# Altium PCB CarrierBoard.PcbDoc (part 1 of 2)
Units mil, origin at the board's own origin, x right, y up, seen from the top; angles counter-clockwise.
Board outline 6375.03 x 4175.03 mil, 4 copper layers (Top Layer, GND1, GND2, Bottom Layer), stack 53.912 mil thick; 102 components, 84 nets, 400 pads, 390 vias.
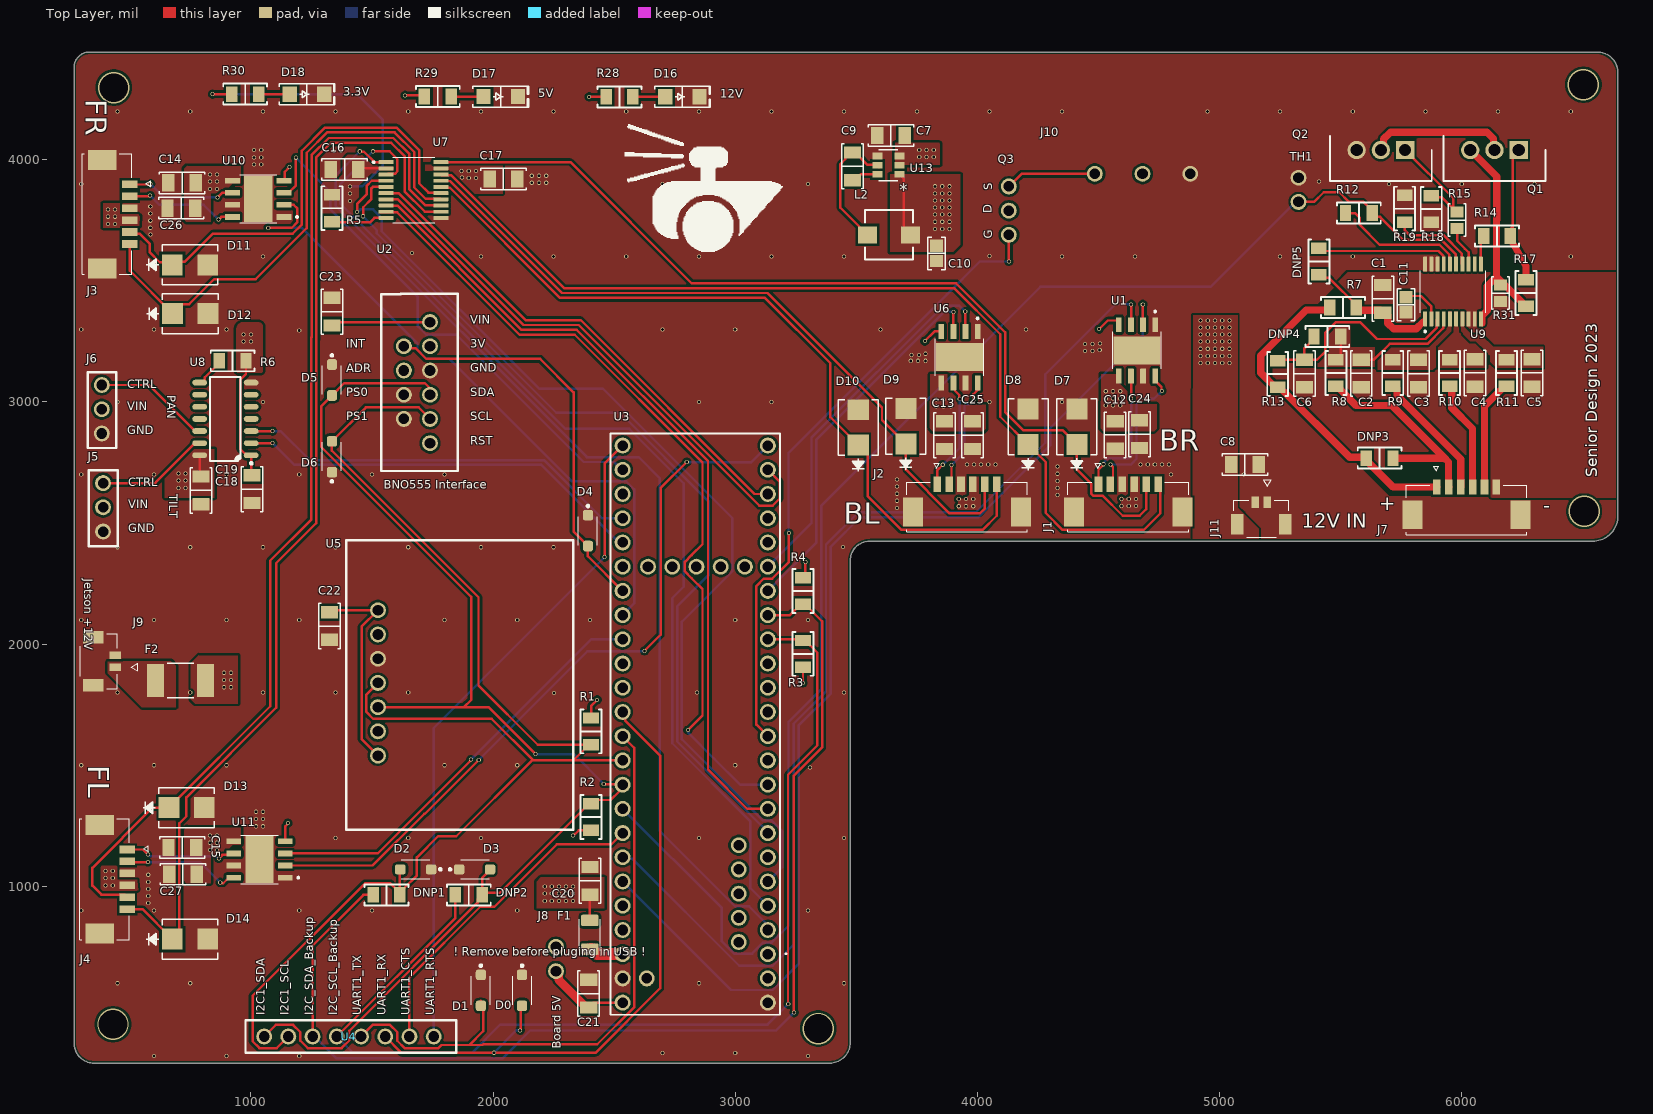
[diagram p0: Top Layer view]
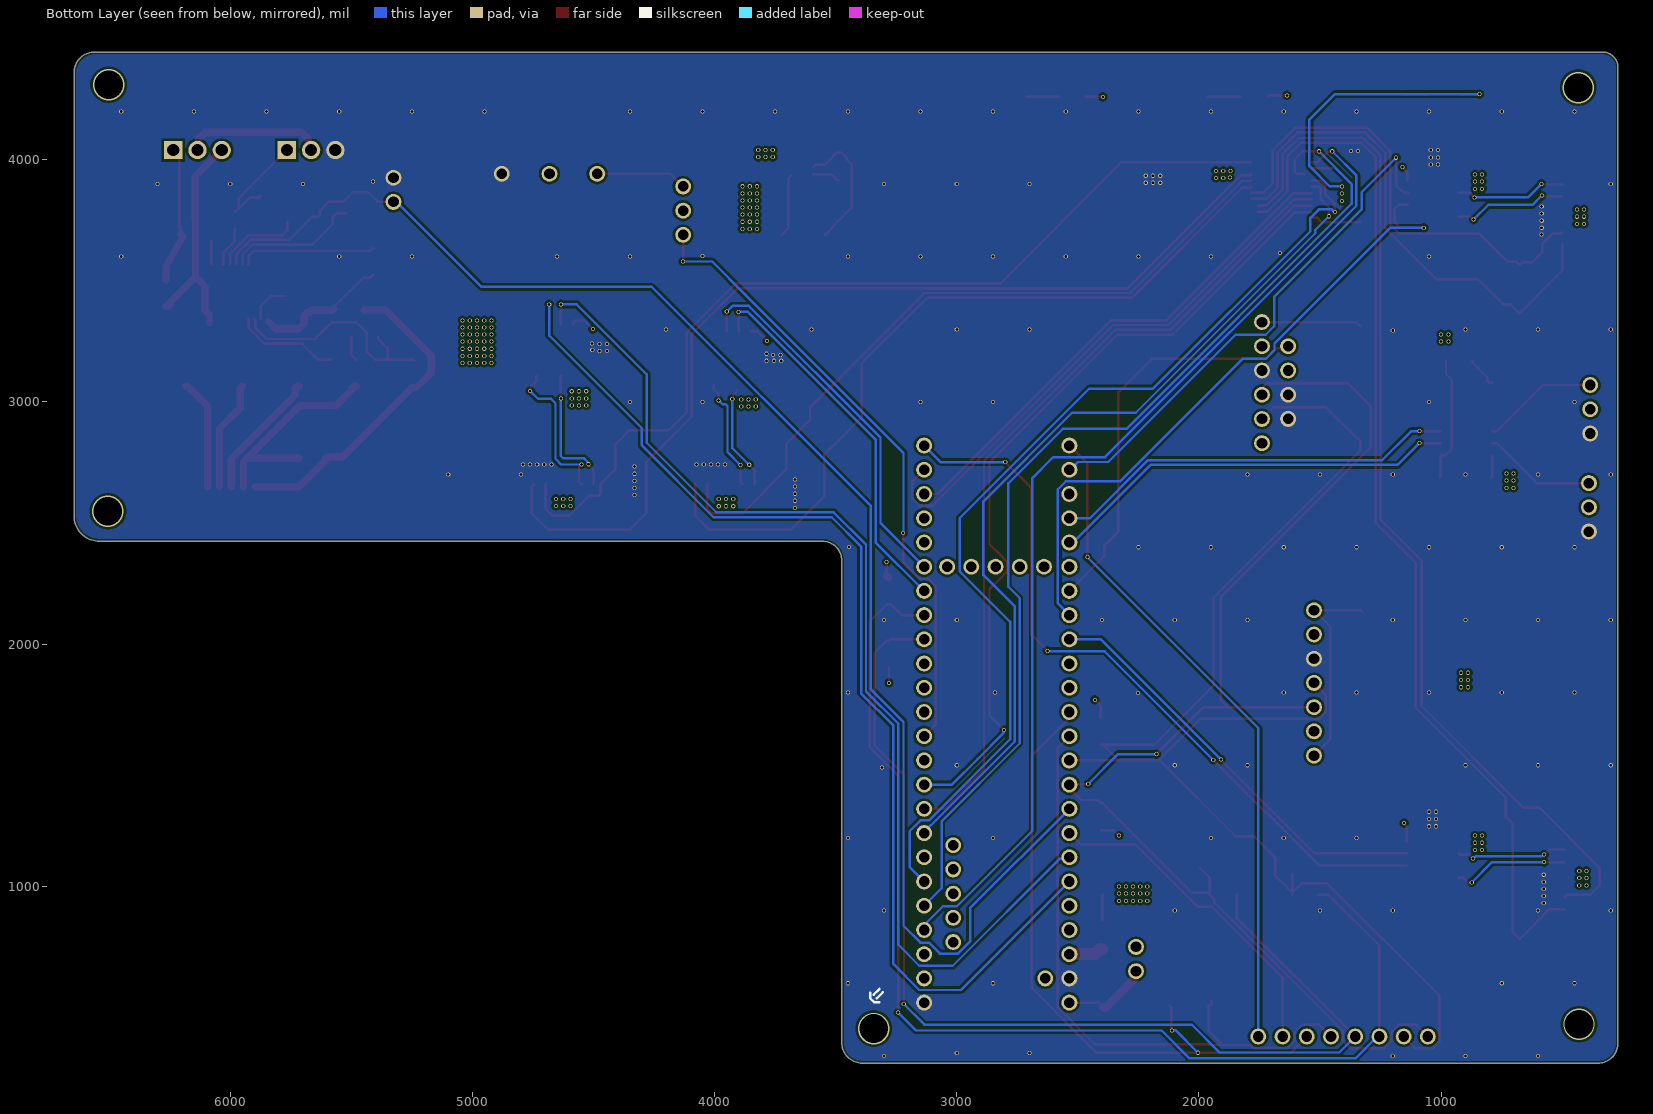
[diagram p1: Bottom Layer view, seen from below]
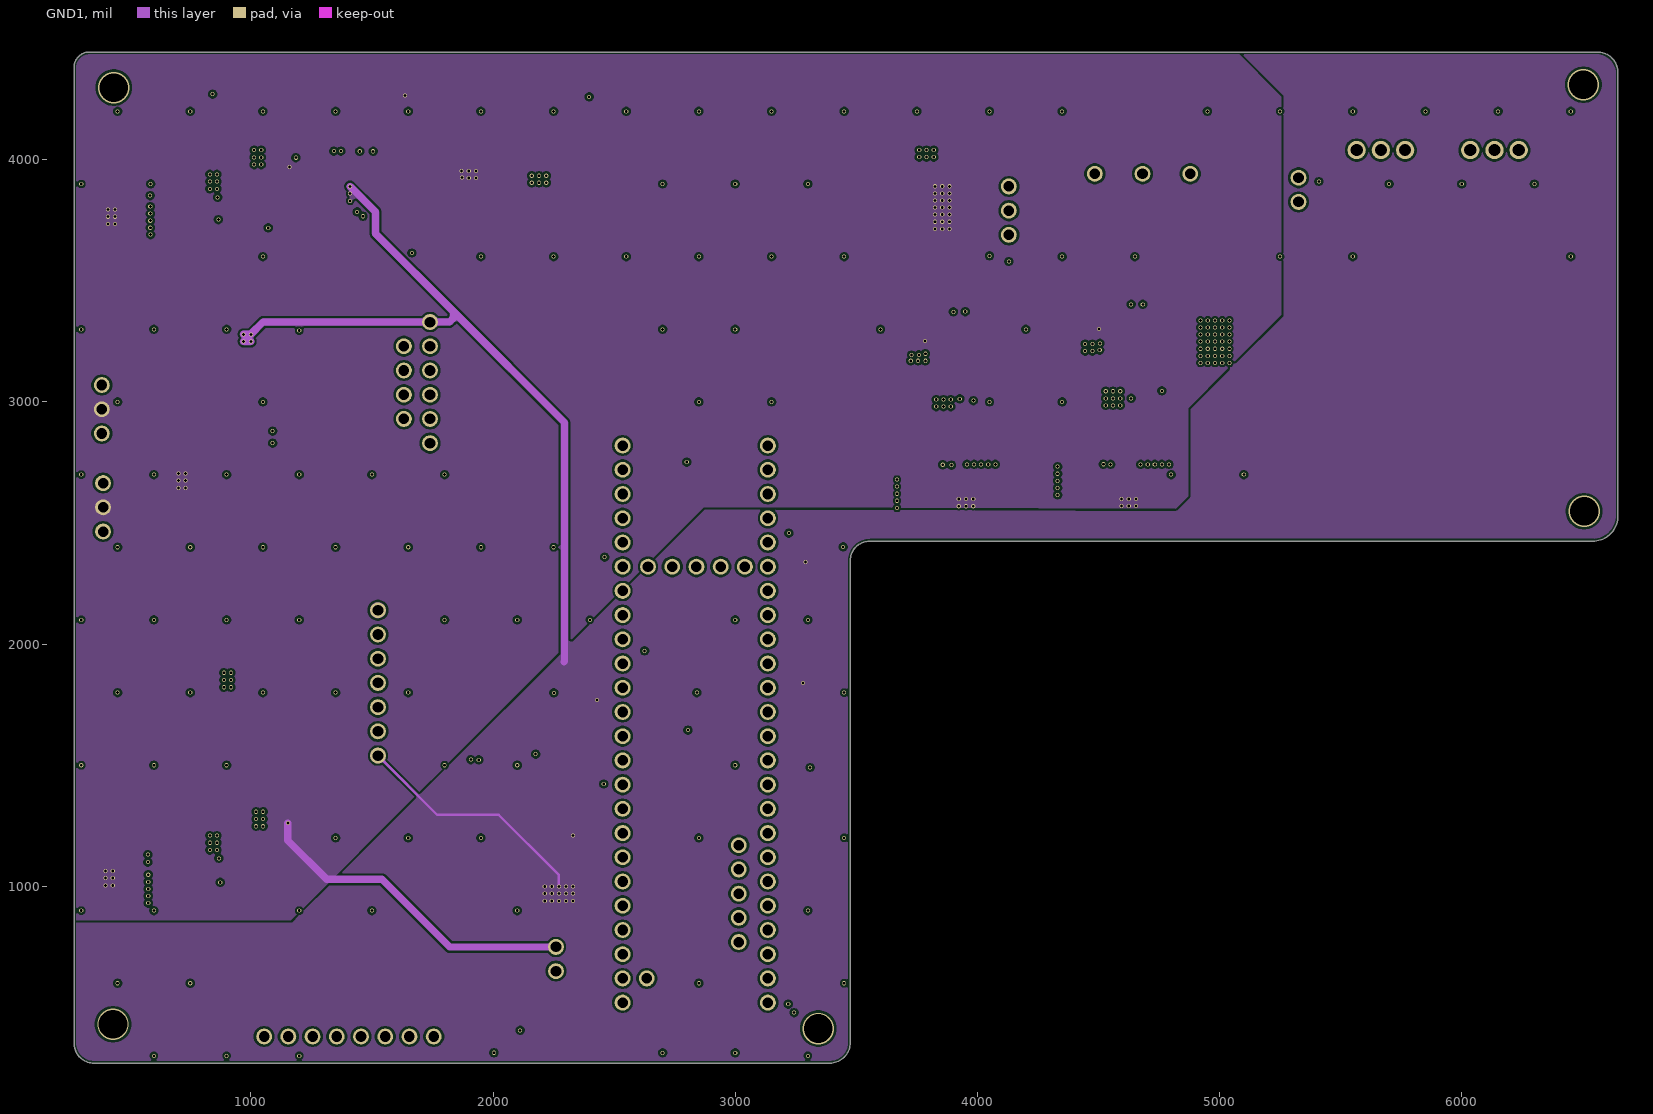
[diagram p2: GND1]
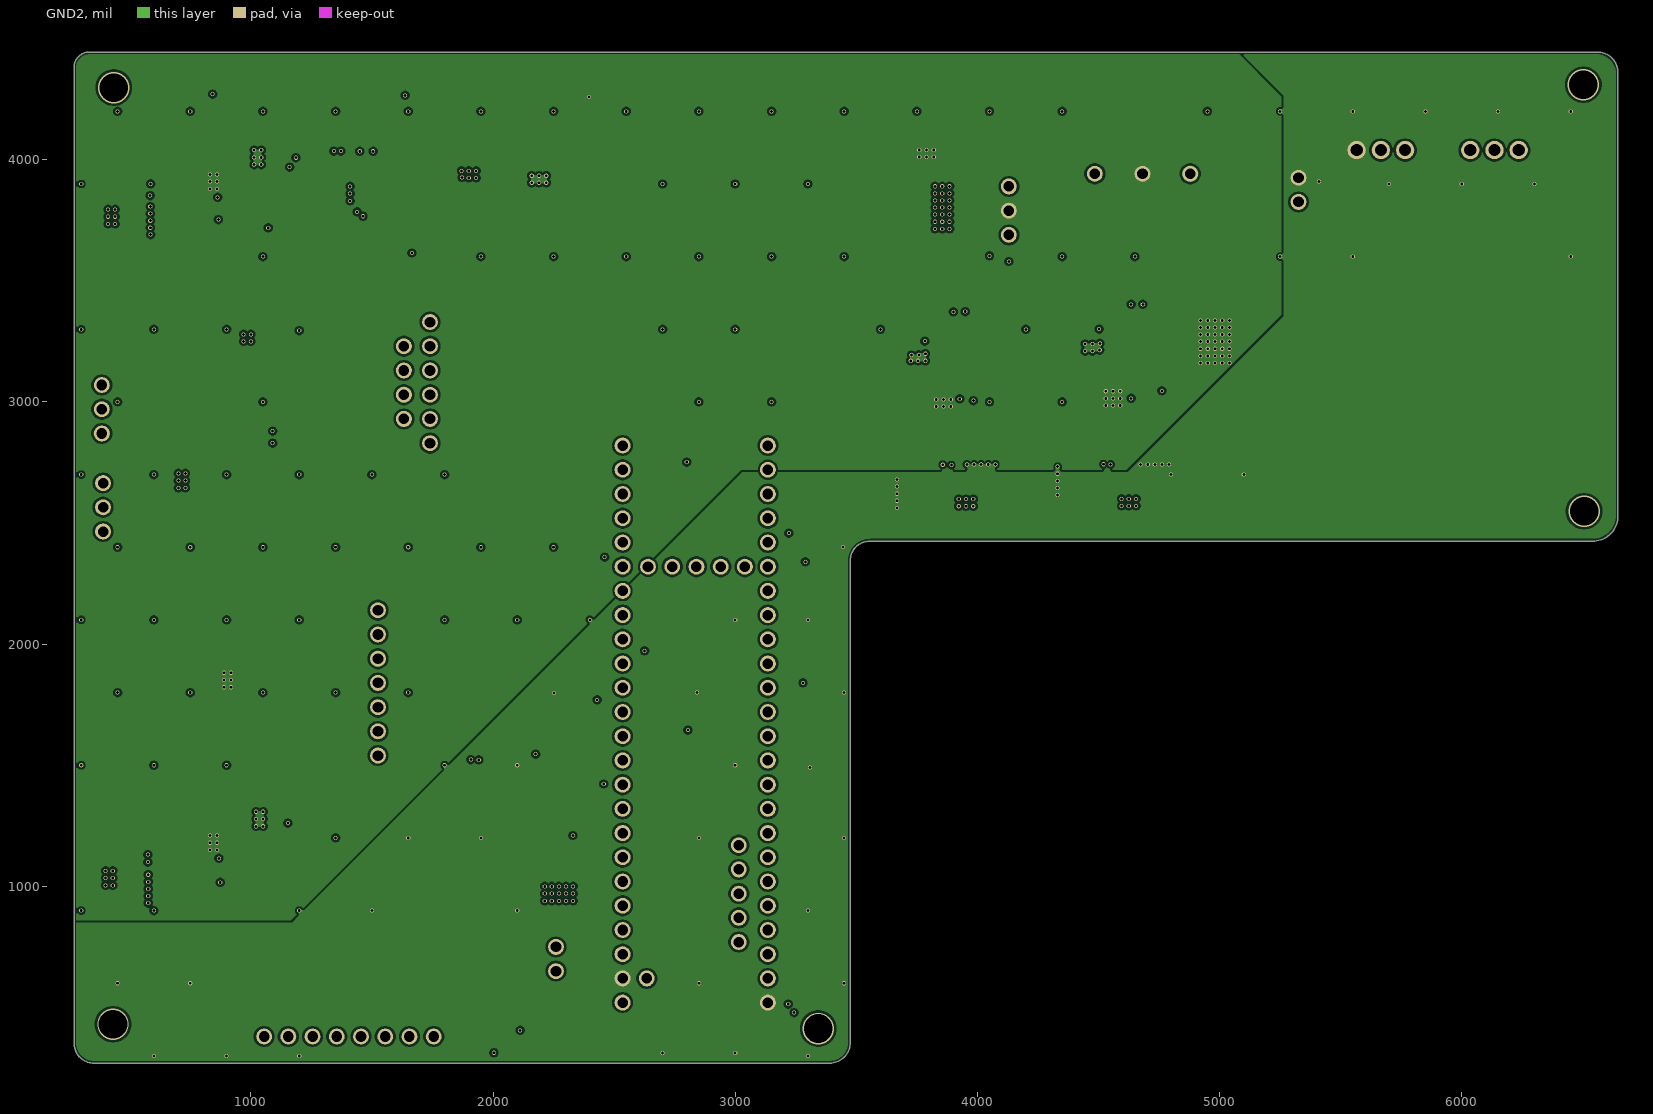
[diagram p3: GND2]
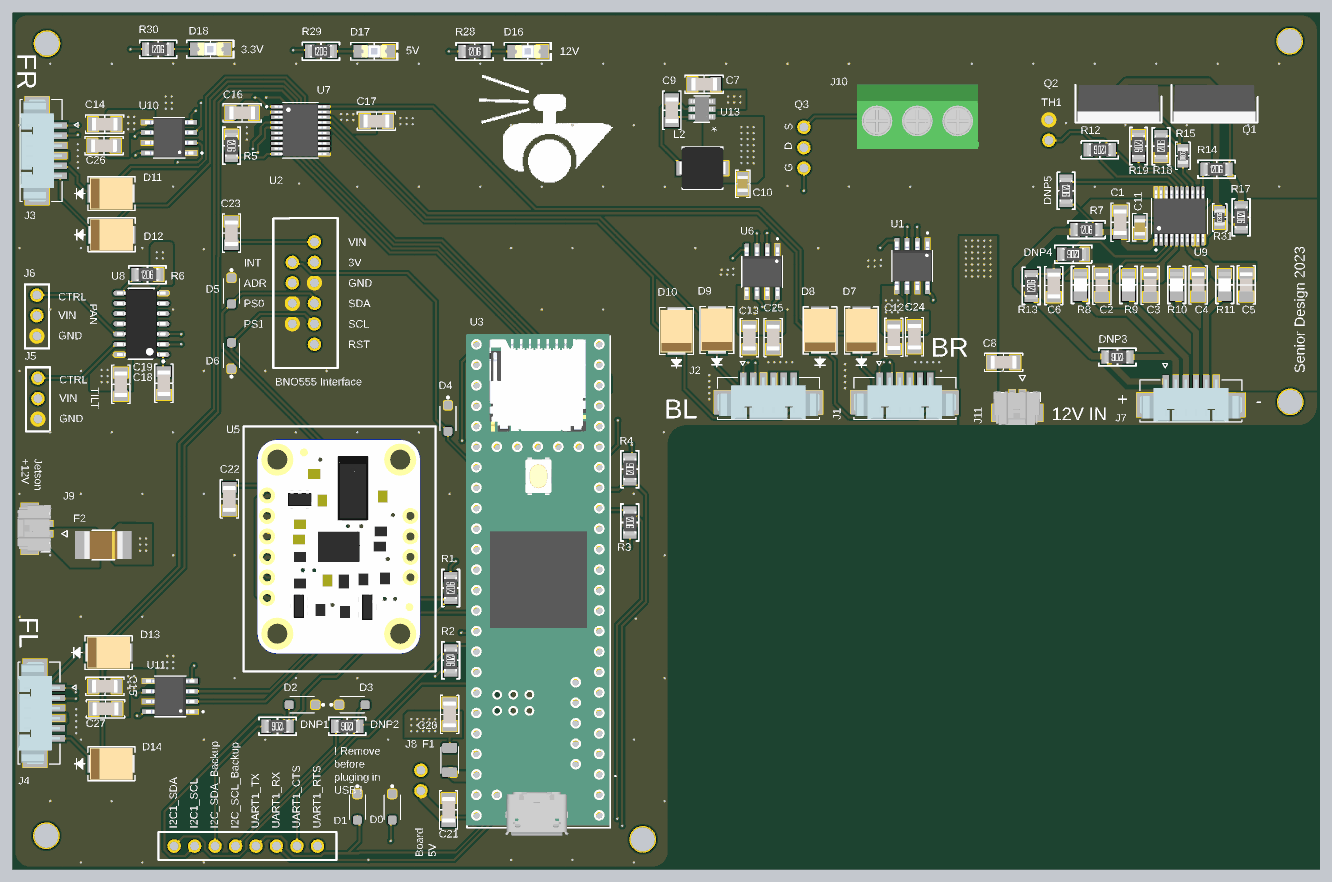
[diagram p5: 3D render of the assembled board from above, using the file's embedded part models]

## Layer stack, top to bottom
Top Solder: solder mask 1, SM-001, Dk 4
Top Layer: signal copper 1.378
Dielectric 1: prepreg 5.1, PP-017, Dk 4.3
Dielectric 2: prepreg 5.1, PP-017, Dk 4.3
GND1: signal copper 1.378
Dielectric 3: core 28, Core-039, Dk 4.8
GND2: signal copper 1.378
Dielectric 4: prepreg 5.1, PP-017, Dk 4.3
Dielectric 5: prepreg 5.1, PP-017, Dk 4.3
Bottom Layer: signal copper 1.378
Bottom Solder: solder mask 1, SM-001, Dk 4

## Board outline
353,269.99 cw(c353,353) 269.98,353 269.98,4380 cw(c335,4380) 335,4445.02 6560,4445.02 cw(c6560,4360) 6645.01,4360 6645.01,2530 cw(c6540,2530) 6540,2424.99 3555,2424.99 ccw(c3555,2345.05) 3475.06,2345.05 3475.06,2335.63 3475.01,355 cw(c3390,355) 3390,269.99

## Design rules (kind name [scope] priority, off if disabled: settings)
BoardOutlineClearance [All] p1: gap=10 ignorepadtopadclearanceinfootprint=FALSE except(0: Arc-SplitContinuation Track-SplitContinuation SMDPad-SplitContinuation THPad-SplitContinuation Via-SplitContinuation Fill-SplitContinuation Poly-SplitContinuation Region-SplitContinuation Text-SplitContinuation)
Clearance [All] p1: gap=10 ignorepadtopadclearanceinfootprint=FALSE except(0: Arc-Hole Track-Hole SMDPad-Hole THPad-Hole Via-Hole Fill-Hole Poly-Hole Region-Hole Text-Hole; 5: SMDPad-SMDPad)
PolygonConnect [All] p1: connectstyle=Direct reliefconductorwidth=10 reliefentries=4 polygonreliefangle="90 Angle" airgapwidth=10
RoutingVias [All] p1: holewidth=28 width=50 viastyle="Through Hole" minholewidth=28 minwidth=50 maxholewidth=28 maxwidth=50
SolderMaskExpansion [All] p1: expansion=4 istentingtop=FALSE
Width [All] p1: maxlimit=10000 minlimit=10 preferedwidth=10
30 further rules are at their usual default settings.

## Classes and differential pairs
component class Power: C1 C2 C3 C4 C5 C6 C7 C8 C9 C10 C11 DNP3 DNP4 DNP5 J7 J11 L2 Q1 Q2 R7 R8 R9 R10 R11 R12 R13 R14 R15 R17 R18 R19 R31 TH1 U9 U13 VR1 VR2 VR3
component class ModuleInter: C12 C13 C14 C15 C16 C17 C18 C19 C20 C21 C22 C23 C24 C25 C26 C27 D0 D1 D2 D3 D4 D5 D6 D7 D8 D9 D10 D11 D12 D13 D14 D16 D17 D18 DNP1 DNP2 F1 F2 J1 J2 J3 J4 J5 J6 J8 J9 J10 Q3 R1 R2 R3 R4 R5 R6 R28 R29 R30 U1 U2 U3 U4 U5 U6 U7 U8 U10 U11

## Components (designator, comment, footprint, x,y, rotation, side; value= is the part's Value field where it differs from the comment)
C1 "0.1 µF" "CAP 1206_3216 - 0.8MM" 5674,3426 r270 top
C2 "0.1 µF" "CAP 1206_3216 - 0.8MM" 5585,3117.91 r90 top
C3 "0.1 µF" "CAP 1206_3216 - 0.8MM" 5820.98,3117.55 r90 top
C4 "0.1 µF" "CAP 1206_3216 - 0.8MM" 6055,3120 r90 top
C5 "0.1 µF" "CAP 1206_3216 - 0.8MM" 6290,3120 r90 top
C6 "0.1 µF" "CAP 1206_3216 - 0.8MM" 5350,3117.09 r90 top
C7 "0.1 µF" "CAP 1206_3216 - 0.8MM" 3642.91,4100 r0 top
C8 "0.1 µF" "CAP 1206_3216 - 0.8MM" 5104.91,2742 r180 top
C9 "0.1 µF" "CAP 1206_3216 - 0.8MM" 3485,3972.91 r270 top
C10 "22 µF" "CAP 0805_2012" 3831,3613.5 r90 top
C11 "1 µF" "CAP 0805_2012" 5770,3401.5 r270 top
C12 "0.1 µF" "CAP 1206_3216 - 0.8MM" 4569,2863.91 r90 top
C13 "0.1 µF" "CAP 1206_3216 - 0.8MM" 3864,2863 r90 top
C14 "0.1 µF" "CAP 1206_3216 - 0.8MM" 716,3905 r0 top
C15 "0.1 µF" "CAP 1206_3216 - 0.8MM" 717.09,1160 r0 top
C16 "0.1 µF" "CAP 1206_3216 - 0.8MM" 1387.09,3960 r180 top
C17 "0.1 µF" "CAP 1206_3216 - 0.8MM" 2042.91,3920 r0 top
C18 "0.1 µF" "CAP 1206_3216 - 0.8MM" 1005,2640 r270 top
C19 "0.1 µF" "CAP 1206_3216 - 0.8MM" 795,2635 r270 top
C20 "0.1 µF" "CAP 1206_3216 - 0.8MM" 2400,1022.91 r90 top
C21 "0.1 µF" "CAP 1206_3216 - 0.8MM" 2395,557.09 r90 top
C22 "0.1 µF" "CAP 1206_3216 - 0.8MM" 1325,2075 r270 top
C23 "0.1 µF" "CAP 1206_3216 - 0.8MM" 1335,3372.91 r90 top
C24 "47 µF" "CAP 1206_3216 - 0.8MM" 4670,2867.09 r270 top
C25 "47 µF" "CAP 1206_3216 - 0.8MM" 3980,2862.91 r270 top
C26 "47 µF" "CAP 1206_3216 - 0.8MM" 712.91,3800 r180 top
C27 "47 µF" "CAP 1206_3216 - 0.8MM" 720,1050 r180 top
D0 "SMF3.3" SODFL3718X108N 2120,570 r270 top
D1 "SMF3.3" SODFL3718X108N 1950,570 r270 top
D2 "SMF3.3" SODFL3718X108N 1680,1070 r180 top
D3 "SMF3.3" SODFL3718X108N 1925,1070 r0 top
D4 "SMF3.3" SODFL3718X108N 2392,2468 r270 top
D5 "SMF3.3" SODFL3718X108N 1335,3090 r270 top
D6 "SMF3.3" SODFL3718X108N 1335,2774.76 r90 top
D7 "SMBJ5.0CA-13-F" SMB_DIO 4411,2898 r90 top
D8 "SMBJ5.0CA-13-F" SMB_DIO 4209,2898 r90 top
D9 "SMBJ5.0CA-13-F" SMB_DIO 3705,2900 r90 top
D10 "SMBJ5.0CA-13-F" SMB_DIO 3508,2895 r90 top
D11 "SMBJ5.0CA-13-F" SMB_DIO 749,3566 r0 top
D12 "SMBJ5.0CA-13-F" SMB_DIO 750,3365 r0 top
D13 "SMBJ5.0CA-13-F" SMB_DIO 735,1325 r0 top
D14 "SMBJ5.0CA-13-F" SMB_DIO 749,782 r0 top
D16 "Blue" "LED 1206_3216 BLUE" 2782,4260 r0 top
D17 "Blue" "LED 1206_3216 BLUE" 2032,4261 r0 top
D18 "Blue" "LED 1206_3216 BLUE" 1232,4271 r0 top
DNP1 "0 Ohms" "RES 1206_3216" 1560,965 r180 top
DNP2 "0 Ohms" "RES 1206_3216" 1900,965 r180 top
DNP3 "0 Ohms" "RES 1206_3216" 5661,2768 r180 top
DNP4 "0 Ohms" "RES 1206_3216" 5444.88,3270 r180 top
DNP5 "0 Ohms" "RES 1206_3216" 5410,3580 r270 top
F1 "0ZCJ0010FF2E" RESC3216X125N 2400,800 r90 top
F2 "0ZCG0150BF2C" 0ZCG_BEL 710,1850 r180 top
J1 "532610671" MOLEX_532610671 4623.03,2565.51 r0 top locked
J2 "532610671" MOLEX_532610671 3956.97,2565.51 r0 top locked
J3 "532610671" MOLEX_532610671 405.51,3775.39 r270 top locked
J4 "532610671" MOLEX_532610671 395.51,1029.18 r270 top locked
J5 "Servo Header" "Servo Header" 354,2699 r270 top
J6 "Servo Header" "Servo Header" 349,3104 r270 top
J7 "532610671_1" MOLEX_532610671 6020,2554 r0 top locked
J8 "Pin Header Jumper" "Pin Header Jumper" 2196,827 r270 top
J9 "5055680271" MOLEX_5055680271 372.44,1929.41 r90 top
J10 "Terminal block" "Terminal Holes" 4878.7,3942 r180 top
J11 "5055680271" MOLEX_5055680271 5172.39,2518.09 r180 top locked
L2 "4.7 µH" "BOURNS SRP5030T" 3635,3690 r0 top
Q1 "CSD18502KCS" TO254P470X1016X2005-3P 6235,4040 r180 top
Q2 "CSD18502KCS" TO254P470X1016X2005-3P 5766,4040 r180 top
Q3 "RFP30N06LE" "PWM Fet" 4174.92,3633.95 r90 top
R1 "4.7 kOhms" "RES 1206_3216" 2405,1640.12 r90 top
R2 "4.7 kOhms" "RES 1206_3216" 2405,1286.81 r270 top
R3 "4.7 kOhms" "RES 1206_3216" 3280,1960 r270 top
R4 "4.7 kOhms" "RES 1206_3216" 3280,2220 r90 top
R5 "4.7 kOhms" "RES 1206_3216" 1335,3800 r270 top
R6 "4.7 kOhms" "RES 1206_3216" 925,3170 r0 top
R7 "1 kOhms" "RES 1206_3216" 5510,3390 r0 top
R8 "1 kOhms" "RES 1206_3216" 5480,3120 r90 top
R9 "1 kOhms" "RES 1206_3216" 5715,3120 r90 top
R10 "1 kOhms" "RES 1206_3216" 5950,3120 r90 top
R11 "1 kOhms" "RES 1206_3216" 6185,3120.12 r90 top
R12 "10 kOhms" "RES 1206_3216" 5575,3780 r180 top
R13 "1 kOhms" "RES 1206_3216" 5240,3115.12 r90 top
R14 "4.53 kOhms" "RES 1206_3216" 6145,3685 r0 top
R15 "1 kOhms" "RES 0805_2012" 5980.57,3750.67 r90 top
R17 "1 MOhms" "RES 1206_3216" 6265,3450 r270 top
R18 "1 MOhms" "RES 1206_3216" 5874,3797.12 r90 top
R19 "10 kOhms" "RES 1206_3216" 5764,3798 r270 top
R28 "820 Ohms" "RES 1206_3216" 2522,4260 r0 top
R29 "360 Ohms" "RES 1206_3216" 1772,4261 r0 top
R30 "240 Ohms" "RES 1206_3216" 976.88,4271 r0 top
R31 "1 mOhms" "RES 0805_2012" 6160,3449.45 r90 top
TH1 "103AT-2" 103At-2 5403.86,3743.03 r90 top
U1 "DRV8870DDAR" VREG_LM5017MR/NOPB 4659,3213 r270 top
U2 "BNO055" "BNO555 - Header Mode" 1619.08,3665.05 r270 top
U3 "Teensy 4.1" "Teensy 4.1" 3220,440 r90 top locked
U4 "Jetson Xavier NX Dev Board GPIO" "Xavier Interface" 935,221 r0 top
U5 "HTS221" HTS221 1412.08,2450.05 r270 top locked
U6 "DRV8870DDAR" VREG_LM5017MR/NOPB 3926,3185 r270 top
U7 "TXB0108PWR" SOP65P640X120-20N 1672,3875 r0 top locked
U8 "TXB0104D" "TI SOIC-14 D" 895,2930 r180 top
U9 "BQ7790518PWR" SOP65P640X120-20N 5964,3456.02 r90 top locked
U10 "DRV8870DDAR" VREG_LM5017MR/NOPB 1030.7,3839 r180 top
U11 "DRV8870DDAR" VREG_LM5017MR/NOPB 1036,1111 r180 top
U13 "AP63205WU-7" SOIC_05WU-7_DIO 3627,3978 r180 top

## Footprints (in the part's own frame and the unit in brackets; to place one, negate y for a bottom-side part, rotate by r counter-clockwise, add the part's x,y. Pads: shape width x height; smd on the part's side, far side on the other; paste and mask are expansions set on the pad)
0ZCG_BEL [mil]
  rect 70x138 smd paste+0 mask+0: 1(-103,0) 2(103,0)
  silkscreen extent -55,-72 55,72, body extent -93,-67 93,67, height 61
103At-2 [mm]
  round 1.665 hole 1.11: 1(2.108,1.978) 2(4.648,1.978)
"BNO555 - Header Mode" [mm]
  round 1.665 hole 1.11: 0(8.51,3.071) 1(11.05,3.071) 2(13.59,3.071) 3(16.13,3.071) 4(18.67,3.071) 5(21.21,3.071) 6(18.669,0.33) 7(16.129,0.33) 8(13.589,0.33) 9(11.049,0.33)
  silkscreen extent 5.56,-2.03 24.13,5.97
"BOURNS SRP5030T" [mm] "Precision Wire Wound Inductor, 2-Leads, Body 5.70x5.20mm, IPC Medium Density"
  rect 2x1.8 smd: 1(-2.25,0) 2(2.25,0)
  silkscreen extent -2.5,-2.6 2.5,2.6, body extent -2.85,-2.6 2.85,2.6, height 3
"CAP 0805_2012" [mm] "Chip Capacitor, 2-Leads, Body 2.00x1.20mm, IPC Medium Density"
  rect 1.3x1.4 smd: 1(-0.8,0) 2(0.8,0)
  silkscreen extent -1.7,-0.9 1.7,0.9, body extent -1,-0.64 1,0.64, height 1.26
"CAP 1206_3216 - 0.8MM" [mm] "Chip Capacitor, 2-Leads, Body 3.25x1.60mm, IPC Medium Density"
  rect 1.3x1.8 smd: 1(-1.45,0) 2(1.45,0)
  silkscreen extent -2.37,-1.12 2.37,1.12, body extent -1.6,-0.8 1.6,0.8, height 0.8
HTS221 [mm]
  round 1.665 hole 1.11: 0(7.875,2.868) 1(10.415,2.868) 2(12.955,2.868) 3(15.495,2.868) 4(18.035,2.868) 5(20.575,2.868) 6(23.115,2.868)
  silkscreen extent 0.53,-0.46 30.91,23.37, body extent 2.11,1.19 28.78,21.51, height 4.15
"LED 1206_3216 BLUE" [mm] "Chip Diode, 2-Leads, Body 3.13x1.55mm, IPC Medium Density"
  rect 1.5x1.6 smd: 1(-1.8,0) 2(1.8,0)
  silkscreen extent -2.92,-1.1 2.92,1.1, body extent -1.6,-0.8 1.6,0.8, height 0.9
MOLEX_532610671 [mm]
  rect 0.8x1.6 smd mask+0.076: 1(-3.125,2.4) 2(-1.875,2.4) 3(-0.625,2.4) 4(0.625,2.4) 5(1.875,2.4) 6(3.125,2.4)
  rect 2.1x3 smd mask+0.076: S1(-5.675,-0.5) S2(5.675,-0.5)
  silkscreen extent -6.32,-2.6 6.32,4.6, body extent -6.32,-2.58 6.32,2.62, height 3.2
MOLEX_5055680271 [mm]
  rect 0.8x1.2 smd mask+0.076: 1(-0.625,-1.725) 2(0.625,-1.725)
  rect 1.3x2.15 smd mask+0.076: S1(-2.525,0.57) S2(2.525,0.57)
  silkscreen extent -2.88,-4.09 2.88,1.92, body extent -2.8,-2.13 2.95,2.07, height 3.88
"Pin Header Jumper" [mm]
  round 1.665 hole 1.11: 1(1.956,1.626) 2(4.496,1.626)
"PWM Fet" [mm]
  round 1.665 hole 1.11: 0(1.424,1.141) 1(3.964,1.141) 2(6.504,1.141)
"RES 0805_2012" [mm] "Chip Resistor, 2-Leads, Body 2.00x1.25mm, IPC Medium Density"
  rect 1.15x1.35 smd: 1(-0.875,0) 2(0.875,0)
  silkscreen extent -1.7,-0.9 1.7,0.9, body extent -1,-0.62 1,0.63, height 0.6
"RES 1206_3216" [mm] "Chip Resistor, 2-Leads, Body 3.13x1.55mm, IPC Medium Density"
  rect 1.2x1.65 smd: 1(-1.4,0) 2(1.4,0)
  silkscreen extent -2.3,-1.1 2.3,1.1, body extent -1.6,-0.8 1.6,0.8, height 0.6
RESC3216X125N [mm]
  rrect25% 1.2x1.82 smd: 1(-1.505,0) 2(1.505,0)
  silkscreen extent -1.63,-1.09 1.63,1.09
"Servo Header" [mm]
  round 1.665 hole 1.11: 1(5.944,0.914) 2(3.404,0.914) 3(0.864,0.914)
  silkscreen extent -0.48,-0.58 7.47,2.44